# Altium PCB Austindetz_CM4_Board_v1.0.PcbDoc (part 4 of 6)
Units mil, origin at the board's own origin, x right, y up, seen from the top; angles counter-clockwise.
Board outline 4020 x 5659.29 mil, 6 copper layers (Top Layer, 02_GND1, 03_SIg1, 04_SIg2, 05_Pwr1, Bottom Layer), stack 60.56 mil thick; 407 components, 332 nets, 1812 pads, 973 vias.
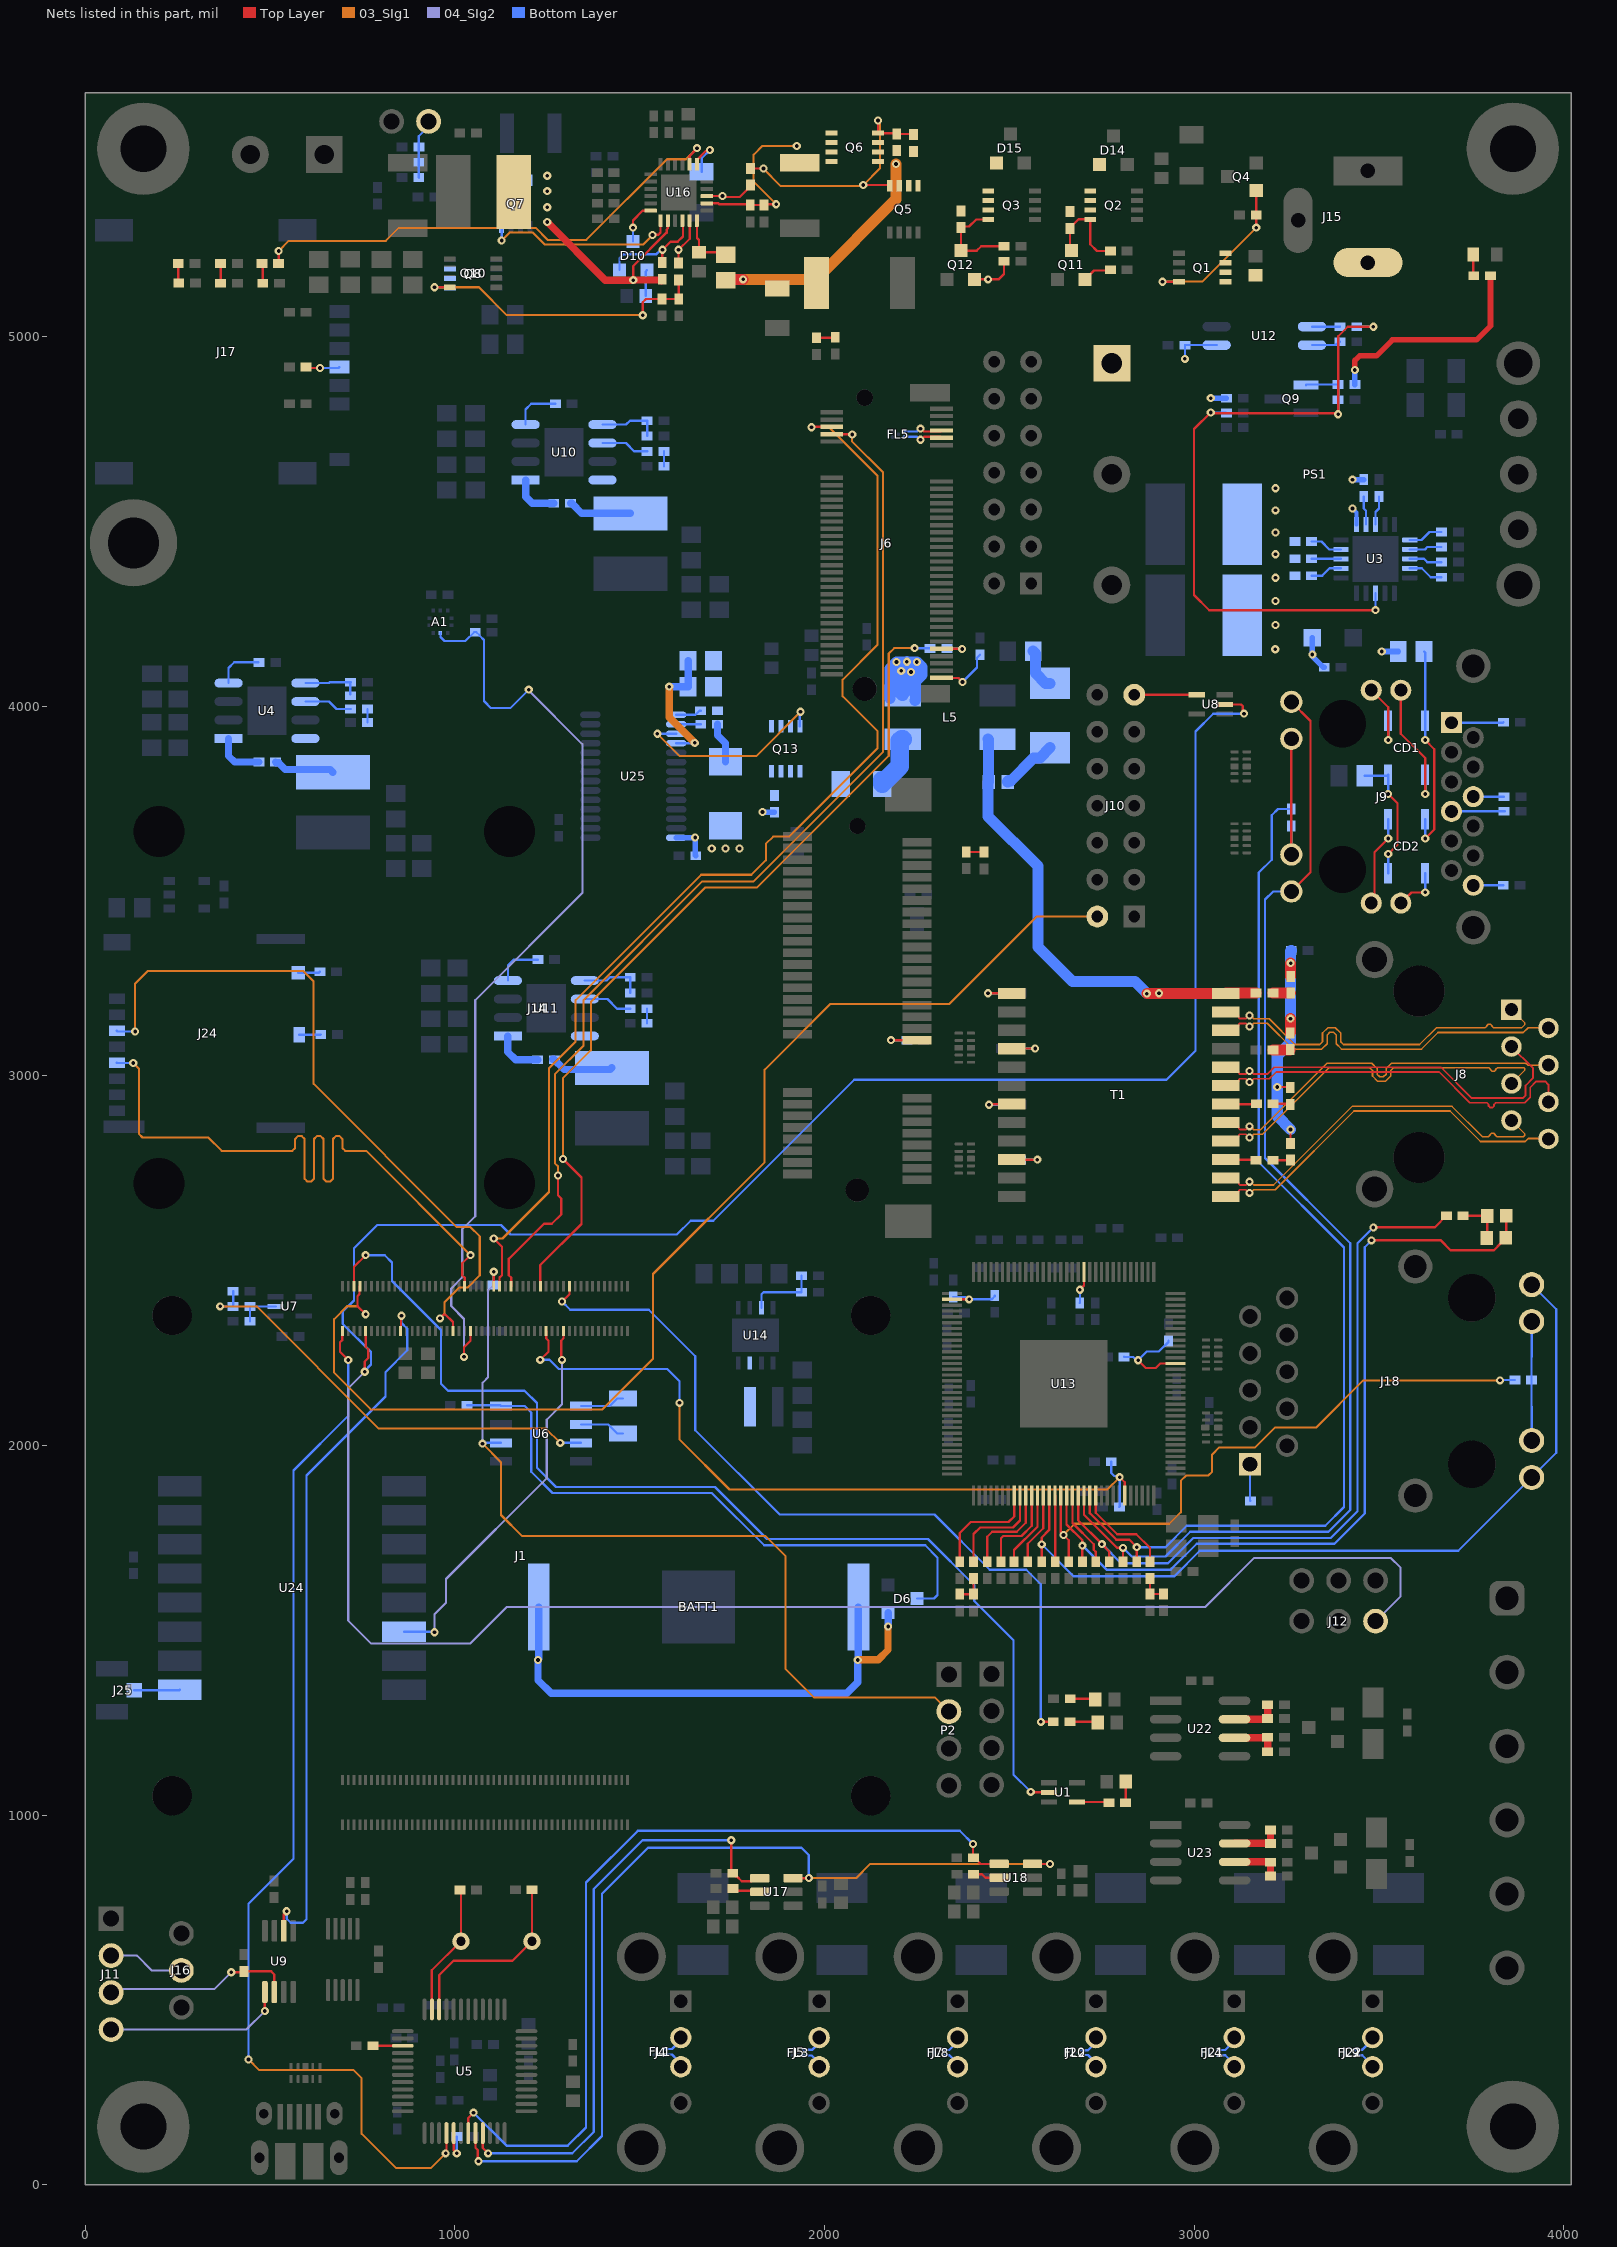
[diagram p8: the nets of this part, all layers, seen from the top]

## Via types
v1: diameter 22, hole 10, Top Layer to Bottom Layer, tented both sides, 968 vias
v2: diameter 22, hole 10, Top Layer to Bottom Layer, 5 vias

## Nets (pads, with @x,y where several pads share a name; then routed paths per layer and width w, separated by ;. In a path a pad name is that pad's centre, name@x,y a point inside that pad or via, vN(x,y) a via of type N, cw(c..) or ccw(c..) an arc to the next point about the centre after c; other vN are vias at no path point) (continued)
LAN_RST: C137.1 J1.30 R138.1 U13.91 | length 2103.2
  Top Layer w6.16: v1(1231.09,2231.8) 1253.17,2253.88 1253.17,2283.76 1246.84,2290.09 J1.30@1246.84,2309.51 ; v1(2798.5,1914.49) 2812.41,1900.57 U13.91@2812.41,1864.76
  03_SIg1 w5.61: v1(1607.91,2115.53) 1607.91,2015.98 1742.91,1880.98 2764.99,1880.98 v1(2798.5,1914.49)
  Bottom Layer w6.16: v1(1231.09,2231.8) 1256.26,2231.8 1280.99,2207.06 1574.85,2207.06 1607.91,2174.01 v1(1607.91,2115.53) ; R138.1@2775.81,1956.23 2775.81,1925.4 2783.7,1917.52 2795.47,1917.52 v1(2798.5,1914.49) 2798.5,1834.8 C137.1@2797.56,1833.86
LO: C105.1 D27.2 L5.4 T1.24 | length 1293.7
  Top Layer w30: v1@2872.91,3223.45 v1(2904.91,3223.45) T1.24@3085.74,3223.45 3086.37,3224.08 C105.1@3167.73,3224.08
  Bottom Layer w30: D27.2@2442.86,3795.18 2442.86,3702.03 2577.09,3567.81 2577.09,3349.11 2671.21,3254.98 2839.54,3254.98 v1(2871.99,3222.53) 2872.45,3222.99 2904.45,3222.99 v1(2904.91,3223.45) ; L5.4@2442.86,3910.93 2444.12,3909.67 D27.2@2444.12,3795.18
LODRV: Q7.G U16.19 | length 535.1
  Top Layer w6.16: v1(1534.91,5274.98) 1535.56,5275.64 1550.56,5275.64 1556.45,5281.53 U16.19@1556.45,5313.93
  03_SIg1 w5.61: v1(1126.52,5259.98) 1148.33,5281.79 1210.54,5281.79 1242.99,5249.34 1509.27,5249.34 v1(1534.91,5274.98)
  Bottom Layer w6.16: v1(1126.52,5259.98) Q7.G@1126.52,5296.98
M.2_OFF/ON: J1.45 J6.6 | length 3119.9
  Top Layer w6.16: v1(1105.11,2559.98) 1127.19,2537.9 1127.19,2460.84 1120.86,2454.51 J1.45@1120.86,2430.77 ; v1(1964.91,4754.98) 1965.76,4755.83 J6.6@2019.28,4755.83
  03_SIg1 w5.61: v1(1105.11,2559.98) 1128.85,2559.98 1254.68,2685.81 1254.68,3020.75 1326.91,3092.98 1326.91,3204.98 1666.02,3544.1 1801.92,3544.1 1841.24,3583.42 1841.24,3627.57 1860.85,3647.17 1903.85,3647.17 2143.85,3887.17 2143.85,3932.17 2048.85,4027.17 2048.85,4072.17 2143.4,4166.72 2143.4,4623.88 2012.29,4754.98 v1(1964.91,4754.98)
M.2_RST: J1.31 R80.2 | length 2344.1
  Top Layer w6.16: J1.31@1231.09,2430.77 1231.09,2488.17 1342.49,2599.57 1342.49,2724.88 v1(1292.27,2775.11)
  03_SIg1 w5.61: v1(1292.27,2775.11) 1292.27,2993.34 1367.91,3068.98 1367.91,3199.98 1677.91,3509.98 1817.78,3509.98 2173.85,3866.05 2173.85,4142.64 2188.38,4157.17 v1(2243.85,4157.17)
  Bottom Layer w6.16: v1(2243.85,4157.17) 2284.95,4157.17 R80.2@2285.68,4156.44
M.2_W_DIS: J1.41 J6.8 | length 2925
  Top Layer w6.16: J1.41@1152.35,2430.77 1152.35,2454.51 1146.02,2460.84 1146.02,2504.93 1241.07,2599.98 1262.34,2599.98 1287.5,2625.14 1287.5,2668.41 1279.13,2676.77 v1(1279.13,2730.78) ; J6.8@2019.28,4736.15 2073.74,4736.15 v1(2074.91,4734.98)
  03_SIg1 w5.61: v1(1279.13,2730.78) 1279.13,2755.34 1270.46,2764.01 1270.46,3004.54 1347.91,3081.98 1347.91,3204.98 1669.41,3526.48 1808.16,3526.48 2158.69,3877.01 2158.69,4632.33 2074.91,4716.11 v1(2074.91,4734.98)
NetBATT1_+: BATT1.+ D6.1 | length 1489.1
  03_SIg1 w20: v1(2089.91,1419.98) 2144.91,1419.98 2171.81,1446.88 2171.81,1509.9 v1(2172.19,1510.29)
  Bottom Layer w20: BATT1.+@1226.84,1563.21 1226.84,1422.45 1224.91,1420.53 v1(1224.91,1419.98) 1224.91,1365.29 1260.33,1329.87 2059.84,1329.87 2089.91,1359.95 v1(2089.91,1419.98) 2089.91,1420.53 2091.8,1422.41 BATT1.+@2091.8,1563.21 ; v1(2172.19,1510.29) D6.1@2172.19,1547.92
NetC9_1: C9.1 U5.22 X1.2 | length 521.5
  Top Layer w6.16: U5.22@957.43,474.53 957.43,567.61 996.03,606.21 1155.93,606.21 X1.2@1208.53,658.82 1208.53,797.64 C9.1@1209.04,798.14
NetC10_1: C10.1 U5.23 X1.1 | length 356.6
  Top Layer w6.16: U5.23@937.75,474.53 937.75,532.15 937.75,580.16 X1.1@1016.41,658.82 1016.41,794.25 C10.1@1013.38,797.28
NetC11_1: C11.1 L1.2 U4.8 | length 166.5
  Bottom Layer w20: C11.1@514.8,3849.16 516.61,3847.34 522.98,3847.34 541.42,3828.91 662.68,3828.91 L1.2@669.91,3821.68
NetC11_2: C11.2 U4.1 | length 135.8
  Bottom Layer w20: U4.1@387.67,3912.69 387.67,3865.59 404.1,3849.16 C11.2@469.52,3849.16
NetC18_2: C18.2 R17.1 U7.2 | length 110
  Bottom Layer w6.16: R17.1@445.5,2336.04 445.42,2336.12 C18.2@445.42,2376.4 U7.2@515.01,2376.4
NetC22_1: C22.1 D6.3 U6.8 | length 1698.9
  Bottom Layer w6.16: C22.1@1032.74,2109.2 1122.89,2109.2 U6.8@1124.95,2107.13 1189.02,2107.13 1206.9,2089.25 1206.9,1929 1264.44,1871.45 1695.23,1871.45 1836.69,1729.98 2272.52,1729.98 2305.84,1696.67 2305.84,1595.34 2296.57,1586.07 D6.3@2249.98,1586.07
NetC29_1: C29.1 L2.2 U10.8 | length 173.6
  Bottom Layer w20: C29.1@1312.74,4549.2 1315.7,4549.2 1343.22,4521.68 L2.2@1474.91,4521.68
NetC29_2: C29.2 U10.1 | length 128.6
  Bottom Layer w20: U10.1@1191.28,4612.08 1191.28,4567.11 1209.19,4549.2 C29.2@1267.47,4549.2
NetC38_1: C38.1 R24.2 | length 39.9
  Bottom Layer w6.16: R24.2@1565.48,4689.55 1565.48,4649.77 C38.1@1565.56,4649.69
NetC39_1: C39.1 U10.4 | length 127.8
  Bottom Layer w6.16: U10.4@1191.28,4762.08 1191.28,4803 1206.72,4818.44 C39.1@1271.78,4818.44
NetC47_1: C47.1 L3.2 U11.8 | length 173.1
  Bottom Layer w20: C47.1@1264.94,3044.91 1267.89,3044.91 1295.41,3017.39 1420.63,3017.39 L3.2@1424.91,3021.68
NetC47_2: C47.2 U11.1 | length 132.5
  Bottom Layer w20: U11.1@1143.47,3107.8 1143.47,3064.51 1164.32,3043.66 C47.2@1224.05,3043.66
NetC48_1: C48.1 U4.4 | length 127.8
  Bottom Layer w6.16: U4.4@387.67,4062.69 387.67,4103.6 403.12,4119.04 C48.1@468.17,4119.04
NetC52_1: C52.1 R27.2 | length 36.2
  Bottom Layer w6.16: C52.1@763.38,3956.17 R27.2@763.38,3992.39
NetC55_1: C55.1 R30.2 | length 39.2
  Bottom Layer w6.16: R30.2@1519.67,3181.64 1519.67,3142.53 C55.1@1519.75,3142.45
NetC56_1: C56.1 U11.4 | length 127.8
  Bottom Layer w6.16: U11.4@1143.47,3257.8 1143.47,3298.71 1158.92,3314.16 C56.1@1223.97,3314.16
NetC57_1: C57.1 J15.1 Q1.D
NetC81_1: C81.1 R45.2 U16.24 | length 162.8
  Top Layer w6.16: U16.24@1654.88,5313.93 1654.88,5266.75 1660.37,5261.26 C81.1@1660.37,5228.49 1725.69,5228.49 R45.2@1732.57,5221.61
NetC84_1: C84.1 Q10.G R48.1 R53.1 | length 823.9
  Top Layer w6.16: v1(944.91,5133.65) Q10.G@986.06,5133.65 ; v1(1508.16,5058) 1508.16,5093.23 1516.81,5101.87 R48.1@1560.46,5101.87 C84.1@1605.66,5101.87 1605.66,5152.91 R53.1@1605.11,5153.46
  03_SIg1 w5.61: v1(944.91,5133.65) 1065.16,5133.65 1140.81,5058 v1(1508.16,5058)
NetC85_1: C85.1 C87.2 Q6.D RAC.1 U16.2 | length 476.1
  Top Layer w6.16: U16.2@1681.85,5360.58 1712.6,5360.58 1715,5358.19 1796.88,5358.19 C87.2@1799.15,5355.92 1836.3,5355.92 C85.1@1836.45,5355.78 1838.86,5358.19 v1(1869.15,5358.19)
  03_SIg1 w5.61: v1(1869.15,5358.19) 1808.1,5419.23 1808.1,5492.08 1831.71,5515.68 v1(1924.91,5515.68)
NetC86_1: C86.1 Q5.G Q6.G R52.1 R54.1 | length 726.1
  Top Layer w6.16: R54.1@1799.91,5455.26 1800.19,5454.98 v1(1834.91,5454.98) ; v1(2104.91,5409.98) 2174.52,5409.98 Q5.G@2176.52,5407.98 ; v1(2144.91,5584.98) Q6.G@2144.91,5550.57 2193.42,5550.57 R52.1@2195.5,5548.5 2238.93,5548.5 C86.1@2240.79,5546.63
  03_SIg1 w5.61: v1(1834.91,5454.98) 1834.91,5453.86 1880.79,5407.98 2102.91,5407.98 v1(2104.91,5409.98) 2149.91,5454.98 2149.91,5575.55 2144.91,5580.55 v1(2144.91,5584.98)
NetC89_2: C89.2 R50.1
NetC97_2: C97.2 D10.2 U16.22 | length 306.7
  Top Layer w6.16: C97.2@1560.89,5200.54 1560.89,5234.11 v1(1561.77,5234.98) 1583.85,5257.06 1603.22,5257.06 1617.27,5271.12 1617.27,5312.17 U16.22@1615.51,5313.93
  Bottom Layer w6.16: D10.2@1445.11,5179.98 1445.11,5211.38 1456.97,5223.24 1545.74,5223.24 1557.48,5234.98 v1(1561.77,5234.98)
NetC101_1: C101.1 D10.1 | length 71.4
  Bottom Layer w6.16: C101.1@1516.19,5110.16 1516.19,5176.26 D10.1@1519.91,5179.98
NetC105_2: C105.2 R25.1 | length 48.3
  Top Layer w6.16: C105.2@3213.01,3224.08 C105.2@3213.26,3223.82
  Top Layer w30: C105.2@3213.26,3223.82 R25.1@3261.19,3223.82
NetC106_2: C106.2 R26.1 | length 47.1
  Top Layer w6.16: R26.1@3259.22,3070.23 R26.1@3259.84,3070.85
  Top Layer w30: C106.2@3213.01,3070.23 R26.1@3259.22,3070.23
NetC107_1: C107.1 T1.18 | length 82.9
  Top Layer w6.16: T1.18@3085.74,2923.45 3167.38,2923.45 C107.1@3168.26,2924.33
NetC107_2: C107.2 R102.1 | length 47.3
  Top Layer w6.16: C107.2@3213.54,2924.33 3259.07,2924.33 R102.1@3260.3,2923.09
NetC108_1: C108.1 T1.15 | length 82.5
  Top Layer w6.16: T1.15@3085.74,2773.45 3166.37,2773.45 C108.1@3167.73,2772.09
NetC108_2: C108.2 R103.1 | length 47.9
  Top Layer w6.16: C108.2@3213.01,2772.09 3260.67,2772.09 R103.1@3260.84,2771.92
NetC122_1: C122.1 J17.C6 | length 92.1
  Top Layer w6.16: C122.1@597.75,4917.71 600.47,4914.98 v1(635.21,4914.98)
  Bottom Layer w6.16: v1(635.21,4914.98) 685.11,4914.98 J17.C6@687.69,4917.57
NetC123_1: C123.1 R25.2 R26.2 R102.2 R103.2 | length 663.7
  Top Layer w6.16: v1(3224.91,2969.98) 3258.69,2969.98 R102.2@3260.3,2968.37 ; R26.2@3259.84,3116.13 R26.2@3260.86,3117.14 ; R103.2@3260.84,2817.2 v1(3260.84,2855)
  Top Layer w30: R26.2@3260.86,3117.14 v1(3260.86,3154.98) ; R25.2@3261.19,3269.1 v1(3261.19,3304.98)
  Bottom Layer w30: v1(3260.84,2855) 3224.91,2890.93 v1(3224.91,2969.98) 3224.91,3054.98 3260.86,3090.93 v1(3260.86,3154.98) 3261.02,3155.15 3261.02,3304.82 v1(3261.19,3304.98) 3261.19,3337.61 C123.1@3262.69,3339.11
NetC124_2: C124.2 T1.1 | length 108.8
  Top Layer w6.16: v1(2442.43,3223.45) T1.1@2507,3223.45
  Bottom Layer w6.16: v1(2442.43,3223.45) 2485.41,3223.45 C124.2@2486.28,3224.33
NetC139_2: C139.2 D25.2 F1.1 Q13.5 R147.2 | length 109.5
  Bottom Layer w20: R147.2@1710.57,3950.98 1710.57,3921.19 1732.07,3899.69 D25.2@1732.07,3850.35
NetC141_2: C141.2 J9.12 | length 81.2
  Bottom Layer w6.16: J9.12@3755.17,3515.69 3836.11,3515.69 C141.2@3836.28,3515.86
NetC142_2: C142.2 J9.6 | length 83.4
  Bottom Layer w6.16: J9.6@3755.17,3755.46 C142.2@3838.61,3755.46
NetC143_2: C143.2 J9.1 | length 141.4
  Bottom Layer w6.16: J9.1@3696.11,3955.46 3835.75,3955.46 C143.2@3837,3956.71
NetC144_2: C144.2 J9.7 | length 144
  Bottom Layer w6.16: J9.7@3696.11,3715.69 C144.2@3840.08,3715.69
NetC145_2: C145.2 T1.4 | length 108.4
  Top Layer w6.16: T1.4@2507,3073.45 2507.66,3074.11 v1(2569.91,3074.11)
  Bottom Layer w6.16: C145.2@2524.67,3074.11 v1(2569.91,3074.11)
NetC146_2: C146.2 T1.7 | length 104.4
  Top Layer w6.16: v1(2444.91,2921.99) 2446.37,2923.45 T1.7@2507,2923.45
  Bottom Layer w6.16: v1(2444.91,2921.99) 2485.41,2921.99 C146.2@2486.28,2922.87
NetC147_2: C147.2 T1.10 | length 114.3
  Top Layer w6.16: T1.10@2507,2773.45 v1(2575.79,2773.45)
  Bottom Layer w6.16: C147.2@2530.63,2772.57 2531.51,2773.45 v1(2575.79,2773.45)
NetC148_2: C148.2 J18.1 | length 99.9
  Bottom Layer w6.16: J18.1@3151.43,1949.38 3151.43,1850.71 C148.2@3152.28,1849.86
NetCD1_1: CD1.1 CD2.1 FB1.1 | length 579.9
  Top Layer w6.16: v1(3625.13,3642.12) 3649.91,3666.9 3649.91,3883.74 v1(3625.13,3908.52)
  Bottom Layer w6.16: FB1.1@3621.9,4148.2 3625.13,4144.97 CD1.1@3625.13,3960.42 v1(3625.13,3908.52) ; v1(3625.13,3642.12) CD2.1@3625.13,3694.02
NetCD1_4: CD1.4 CD2.4 FB2.1 | length 351.1
  Top Layer w6.16: v1(3524.91,3762.63) 3549.91,3737.63 3549.91,3625.04 v1(3525.13,3600.26)
  Bottom Layer w6.16: FB2.1@3461.91,3812.27 3522.65,3812.27 CD1.4@3524.91,3814.54 ; v1(3524.91,3762.63) CD1.4@3524.91,3814.54 ; CD2.4@3525.13,3548.35 v1(3525.13,3600.26) ; CD1.4@3525.13,3814.75 CD1.4@3524.91,3814.54
NetCttc_1: Cttc.1 U16.7 | length 126.4
  Top Layer w6.16: U16.7@1654.88,5466.29 1654.88,5477.91 1678.92,5501.95 1686.88,5501.95 v1(1689.91,5504.98)
  Bottom Layer w6.16: Cttc.1@1667.74,5445.63 1667.74,5482.82 v1(1689.91,5504.98)
NetD1_2: D1.2 R4.1 | length 57.2
  Top Layer w6.16: R4.1@2814.49,1033.7 2814.76,1033.97 D1.2@2814.76,1090.83
NetD2_2: D2.2 R3.1 | length 75.7
  Top Layer w6.16: R3.1@2664.13,1252.39 2737.17,1252.39 D2.2@2739.05,1250.5
NetD4_2: D4.2 D21.1 R31.2 | length 125.7
  Top Layer w6.16: R31.2@3727.51,2621.61 3792.5,2621.61 D4.2@3792.97,2621.14 3792.97,2562.89 D21.1@3791.73,2561.65
NetD5_1: D5.1 R15.1 | length 68.7
  Top Layer w6.16: R15.1@2664.94,1314.64 2731,1314.64 D5.1@2732.87,1312.77
NetD7_A: D7.A R5.2 | length 58.4
  Top Layer w6.16: D7.A@3755.09,5222.23 3755.09,5165.87 R5.2@3756.52,5164.43
NetD9_1: D9.1 R55.1 | length 53.5
  Top Layer w6.16: D9.1@251.57,5198 251.57,5146.6 R55.1@253.02,5145.14
NetD10_3: D10.3 U16.18 | length 115.4
  Top Layer w6.16: v1(1481.76,5294.98) 1481.76,5314.48 1507.73,5340.44 1529.03,5340.44 U16.18@1529.48,5340.9
  Bottom Layer w6.16: D10.3@1481.76,5257.78 v1(1481.76,5294.98)
NetD11_1: D11.1 R59.1 | length 53.4
  Top Layer w6.16: R59.1@366.43,5144.59 D11.1@366.43,5198
NetD12_1: D12.1 R64.1 | length 54.4
  Top Layer w6.16: D12.1@477.97,5198 480.33,5195.65 R64.1@480.33,5144.59
NetD13_2: D13.2 R77.2 | length 51.8
  Top Layer w6.16: D13.2@1978.18,4996.99 2027.98,4996.99 R77.2@2029.36,4998.37
NetD14_1: D14.1 Q2.S R82.2
NetD15_1: D15.1 Q3.S R85.2
NetD16_2: D16.2 R81.2 | length 48.5
  Top Layer w6.16: R81.2@2383.48,3606.05 2384.04,3605.5 D16.2@2431.72,3605.5
NetD26_1: D26.1 R148.1 | length 112.8
  Bottom Layer w30: R148.1@2564.4,4149.18 2570.84,4142.74 2570.84,4101.06 2570.91,4100.99 2570.91,4089.49 2598.41,4061.99 D26.1@2609.91,4061.99
NetD26_2: D26.2 D27.1 | length 154
  Bottom Layer w30: D27.1@2495.7,3794.79 2495.7,3796.76 2497.43,3798.49 2503.97,3798.49 2565.95,3860.48 2582.41,3860.48 D26.2@2609.91,3887.98
NetF1_2: F1.2 L5.1 | length 152.1
  Bottom Layer w50: F1.2@2155.91,3789.98 2155.91,3799.98 2165.91,3799.98 2203.85,3837.92 2203.85,3906.43 2208.35,3910.93 L5.1@2211.96,3910.93
NetJ6_67: J6.67 R80.1 | length 97
  Top Layer w6.16: J6.67@2316.53,4155.44 2371.93,4155.44 v1(2372.38,4154.98)
  Bottom Layer w6.16: R80.1@2330.96,4156.44 2331.97,4155.44 v1@2371.54,4155.44
NetJ6_75: J6.75 R79.1 | length 154.6
  Top Layer w6.16: J6.75@2316.53,4076.7 2362.24,4076.7 v1(2373.23,4065.72)
  Bottom Layer w6.16: v1(2373.23,4065.72) 2412.55,4105.04 2412.55,4131.54 R79.1@2420.46,4139.46
NetJ9_18: J9.18 J9.19 R104.2 | length 390.9
  Top Layer w6.16: J9.19@3263.04,3598.96 J9.18@3263.04,3911.95
  Bottom Layer w6.16: R104.2@3262.49,3676.6 3263.04,3676.05 J9.19@3263.04,3598.96
NetJ10_13: J10.13 U8.4 | length 168.9
  Top Layer w6.16: J10.13@2838.04,4031.11 2838.1,4031.05 3006.85,4031.05 U8.4@3006.91,4030.98
NetJ11_2: J11.2 J16.2 | length 206.3
  04_SIg2 w5.61: J11.2@69.93,619.99 138.74,619.99 cw(c138.74,617.18) 140.71,619.18 179.09,580.81 ccw(c181.07,582.79) 181.07,579.98 J16.2@259.91,579.98
NetJ11_3: J11.3 R19.2 U9.6 | length 516.3
  Top Layer w6.16: v1(394.91,574.98) 427.06,574.98 R19.2@429.58,577.51 502.85,577.51 511.46,568.89 U9.6@511.46,521.55
  04_SIg2 w5.61: J11.3@69.93,519.99 79.92,529.98 349.91,529.98 v1(394.91,574.98)
NetJ11_4: J11.4 U9.5 | length 488.2
  Top Layer w6.16: v1(485.87,469.98) U9.5@485.87,521.55
  04_SIg2 w5.61: J11.4@69.93,419.99 435.88,419.99 v1(485.87,469.98)
NetJ14_17: J14.17 R88.1 | length 113.7
  Top Layer w6.16: v1(2179.91,3096.72) 2179.95,3096.68 J14.17@2250.26,3096.68
  Bottom Layer w6.16: v1(2179.91,3096.72) 2222.47,3096.72 R88.1@2223.02,3096.17
NetJ18_12: J18.12 J18.13 R106.2 | length 321.9
  Bottom Layer w6.16: J18.12@3913.24,2013.56 3913.24,2104.7 3912.95,2104.98 R106.2@3912.95,2177.28 3912.95,2239.68 3913.24,2239.97 J18.13@3913.24,2335.21
NetJ24_9: J24.9 R89.1 | length 59.7
  Bottom Layer w6.16: J24.9@576.08,3279.11 632.12,3279.11 R89.1@634.67,3281.66
NetJ24_10: J24.10 R49.1 | length 58.3
  Bottom Layer w6.16: J24.10@579.03,3111.19 636.51,3111.19 R49.1@637.08,3111.76
NetL6_1: L6.1 U14.7
NetQ1_G: Q1.G Q4.1 R14.2 | length 459.2
  Top Layer w6.16: v1(2914.24,5148.65) Q1.G@2959.17,5148.65 ; R14.2@3167.96,5329.15 Q4.1@3167.93,5394.95 ; v1(3167.96,5294.98) R14.2@3167.96,5329.15
  03_SIg1 w5.61: v1(2914.24,5148.65) 3021.63,5148.65 v1(3167.96,5294.98)
NetQ2_G: Q2.G Q11.3 R82.1 R83.2 | length 258
  Top Layer w6.16: Q11.3@2668.26,5232.71 2664.36,5236.61 2664.36,5296.05 2673.09,5304.78 2674.38,5304.78 2686.91,5317.31 Q2.G@2719,5317.31 2719,5249.75 2736.87,5231.87 R83.2@2773.65,5231.87
NetQ3_G: Q3.G Q12.3 R85.1 R86.2 | length 266.6
  Top Layer w6.16: Q3.G@2443.15,5317.03 2410.46,5317.03 2391.25,5297.82 2372.04,5297.82 R85.1@2369.36,5295.14 Q12.3@2369.36,5232.71 2411.92,5232.71 2423.73,5244.52 R86.2@2485.8,5244.52
NetQ11_2: Q11.2 R84.2 | length 79.4
  Top Layer w6.16: Q11.2@2704.91,5154.92 2729.11,5179.11 2772.08,5179.11 R84.2@2773.65,5180.69
NetQ12_2: Q12.2 R87.2 | length 120.3
  Top Layer w6.16: Q12.2@2406.01,5154.92 v1(2442.71,5154.92) 2471.03,5154.92 2485.8,5169.68 R87.2@2485.8,5204.12
NetQ13_1: Q13.1 R149.2 R150.2 R151.2
NetQ13_4: Q13.4 U25.17 | length 552.4
  03_SIg1 w5.61: v1(1547.91,3925.71) 1608.63,3864.98 1814.91,3864.98 v1(1934.91,3984.98)
  Bottom Layer w6.16: v1(1547.91,3925.71) U25.17@1598.77,3925.71 ; Q13.4@1933.3,3945.98 1933.3,3983.37 v1(1934.91,3984.98)
NetR4_2: R4.2 U1.4 | length 86.7
  Top Layer w6.16: U1.4@2683.33,1035.67 2767.25,1035.67 R4.2@2769.21,1033.7
NetR6_1: R6.1 U3.2 | length 78.7
  Bottom Layer w6.16: R6.1@3458.72,4567.77 3458.72,4535.11 3464.93,4528.9 U3.2@3464.93,4491.68
NetR9_1: R9.1 U5.27 | length 80.5
  Top Layer w6.16: R9.1@778.55,376.15 R9.1@778.55,376.15 U5.27@859.01,376.11
NetR10_1: R10.1 U3.3 | length 80
  Bottom Layer w6.16: U3.3@3490.52,4491.68 3490.52,4525.59 3500.04,4535.11 R10.1@3500.04,4567.77
NetR11_1: R11.1 U3.6 | length 95
  Bottom Layer w6.16: U3.6@3583.43,4449.95 3614.88,4449.95 3636.59,4471.67 R11.1@3669.4,4471.67
NetR12_1: R12.1 R13.1 U14.3 | length 192.4
  Bottom Layer w6.16: U14.3@1829.44,2372.51 1829.44,2409.07 1834.81,2414.43 R13.1@1938.02,2414.43 R12.1@1938.02,2459.43
NetR18_2: R18.2 U5.41 | length 103.9
  Top Layer w6.16: U5.41@996.79,139.89 996.79,93.1 v1(1004.91,84.98)
  Bottom Layer w6.16: v1(1004.91,84.98) 1004.91,130.23 R18.2@1005.21,130.54
NetR20_2: R20.2 R101.1 U4.5 | length 156.1
  Bottom Layer w6.16: U4.5@595.64,4062.69 659.31,4062.69 661.44,4064.81 R20.2@717.96,4064.81 ; R101.1@716.6,4031.97 716.68,4032.05 R20.2@716.68,4064.81
NetR21_2: R21.2 R22.1 U10.5 | length 166.7
  Bottom Layer w6.16: U10.5@1399.25,4762.08 1462.92,4762.08 1473.48,4772.65 R21.2@1520.29,4772.65 1520.29,4731.45 R22.1@1520.21,4731.37
NetR23_1: R23.1 U13.13 | length 88.3
  Top Layer w6.16: v1(2690.93,2421.51) 2690.93,2421.79 2702.18,2433.04 U13.13@2702.18,2469.26
  Bottom Layer w6.16: R23.1@2690.36,2385.87 2690.93,2386.45 v1(2690.93,2421.51)
NetR24_1: R24.1 U10.6 | length 130.3
  Bottom Layer w6.16: U10.6@1399.25,4712.08 1462.75,4712.08 1485.29,4689.55 R24.1@1520.21,4689.55
NetR27_1: R27.1 U4.6 | length 130.9
  Bottom Layer w6.16: U4.6@595.64,4012.69 659.15,4012.69 679.44,3992.39 R27.1@718.1,3992.39
NetR28_2: R28.2 R29.1 U11.5 | length 169.6